# Altium PCB obc.PcbDoc
Units mm, origin at the board's own origin, x right, y up, seen from the top; angles counter-clockwise.
Board outline 60.02 x 35 mm, 4 copper layers (Top Layer, GND, VCC, Bottom Layer), stack 1.11 mm thick; 70 components, 62 nets, 293 pads, 180 vias.
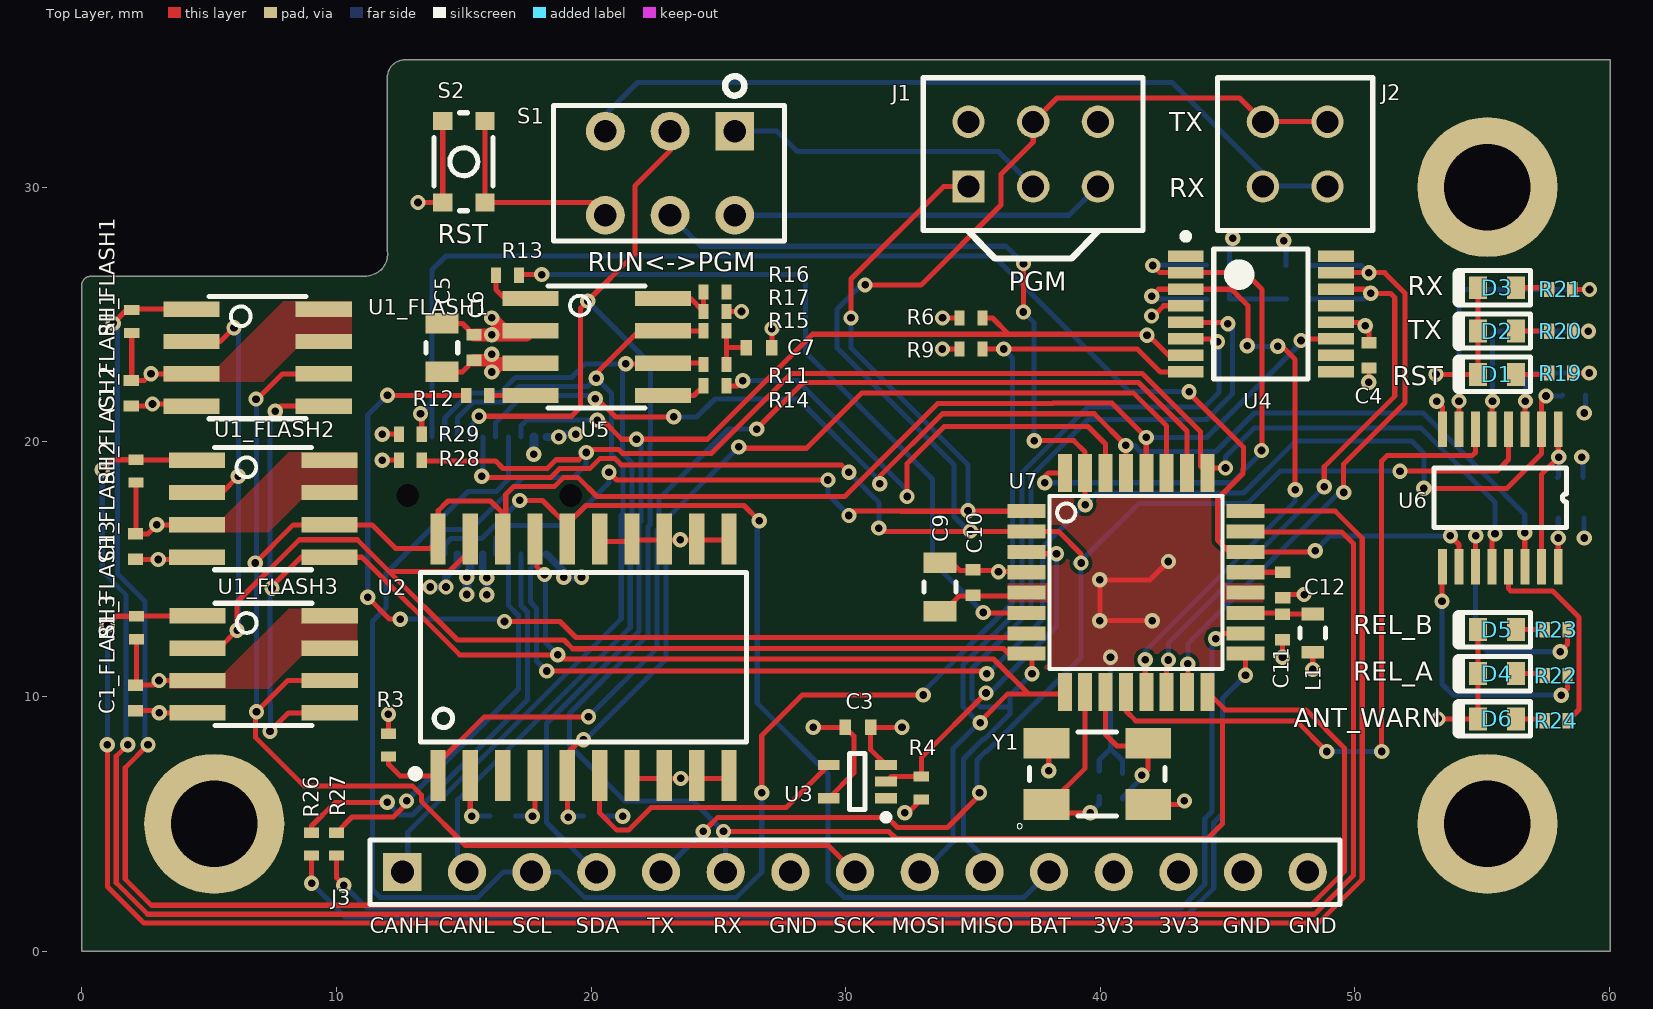
[diagram p0: Top Layer view]
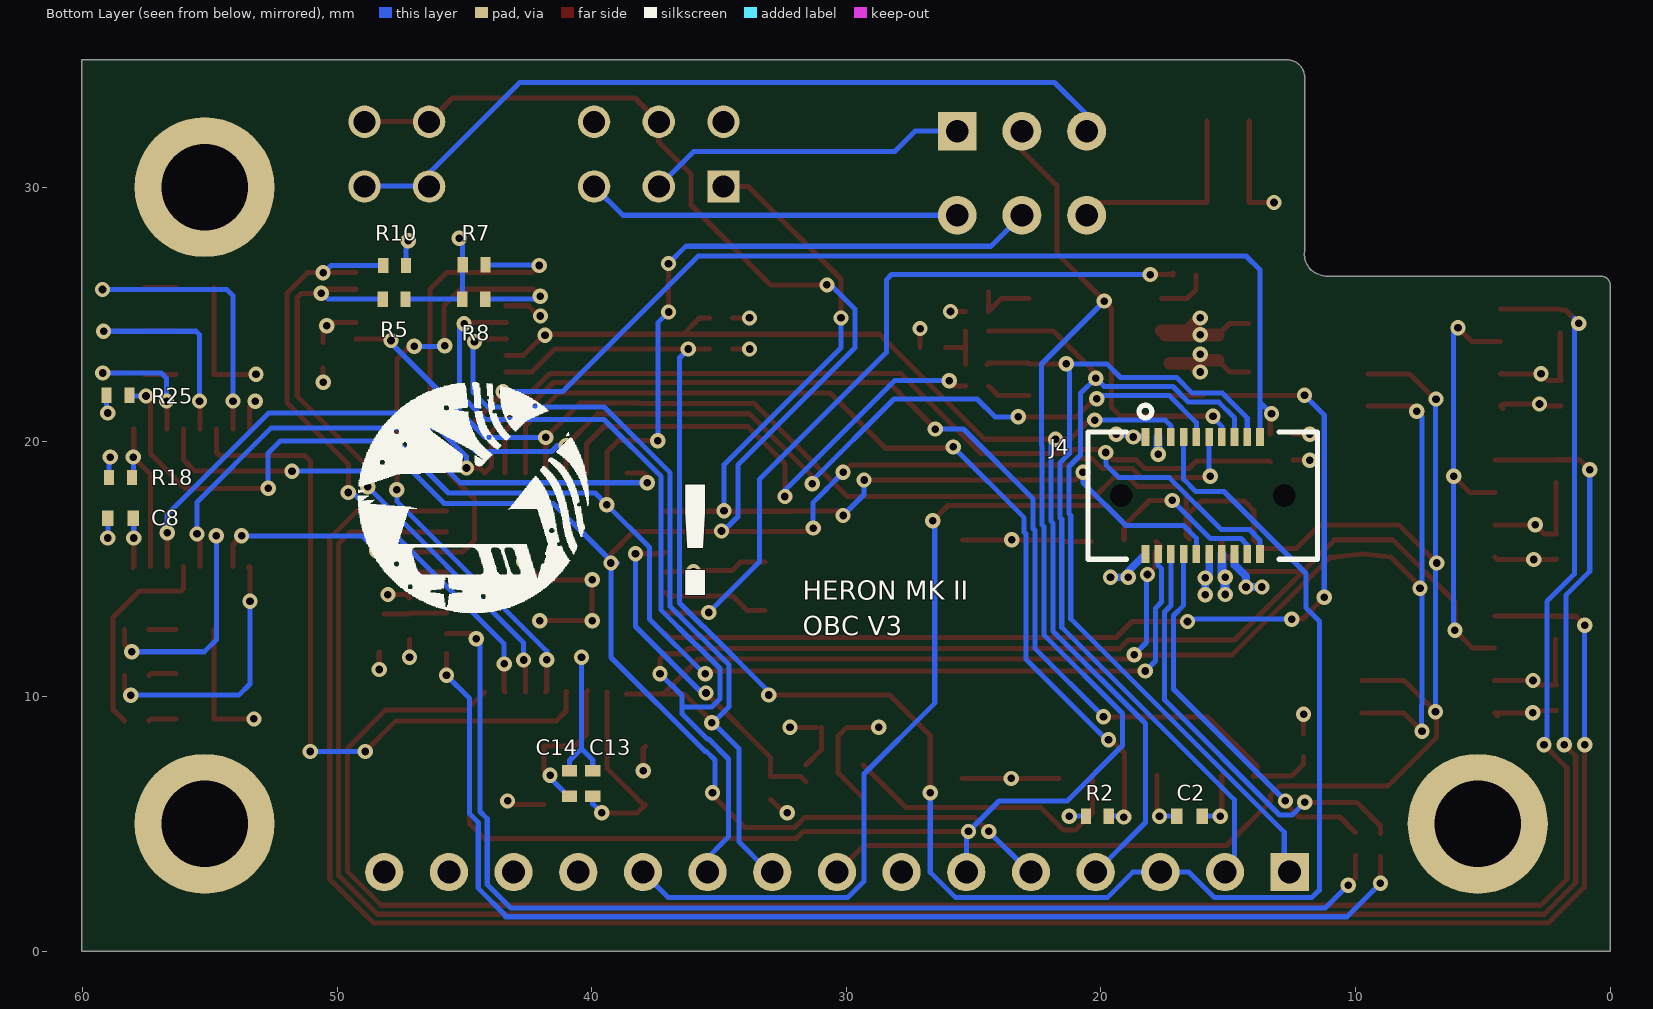
[diagram p1: Bottom Layer view, seen from below]
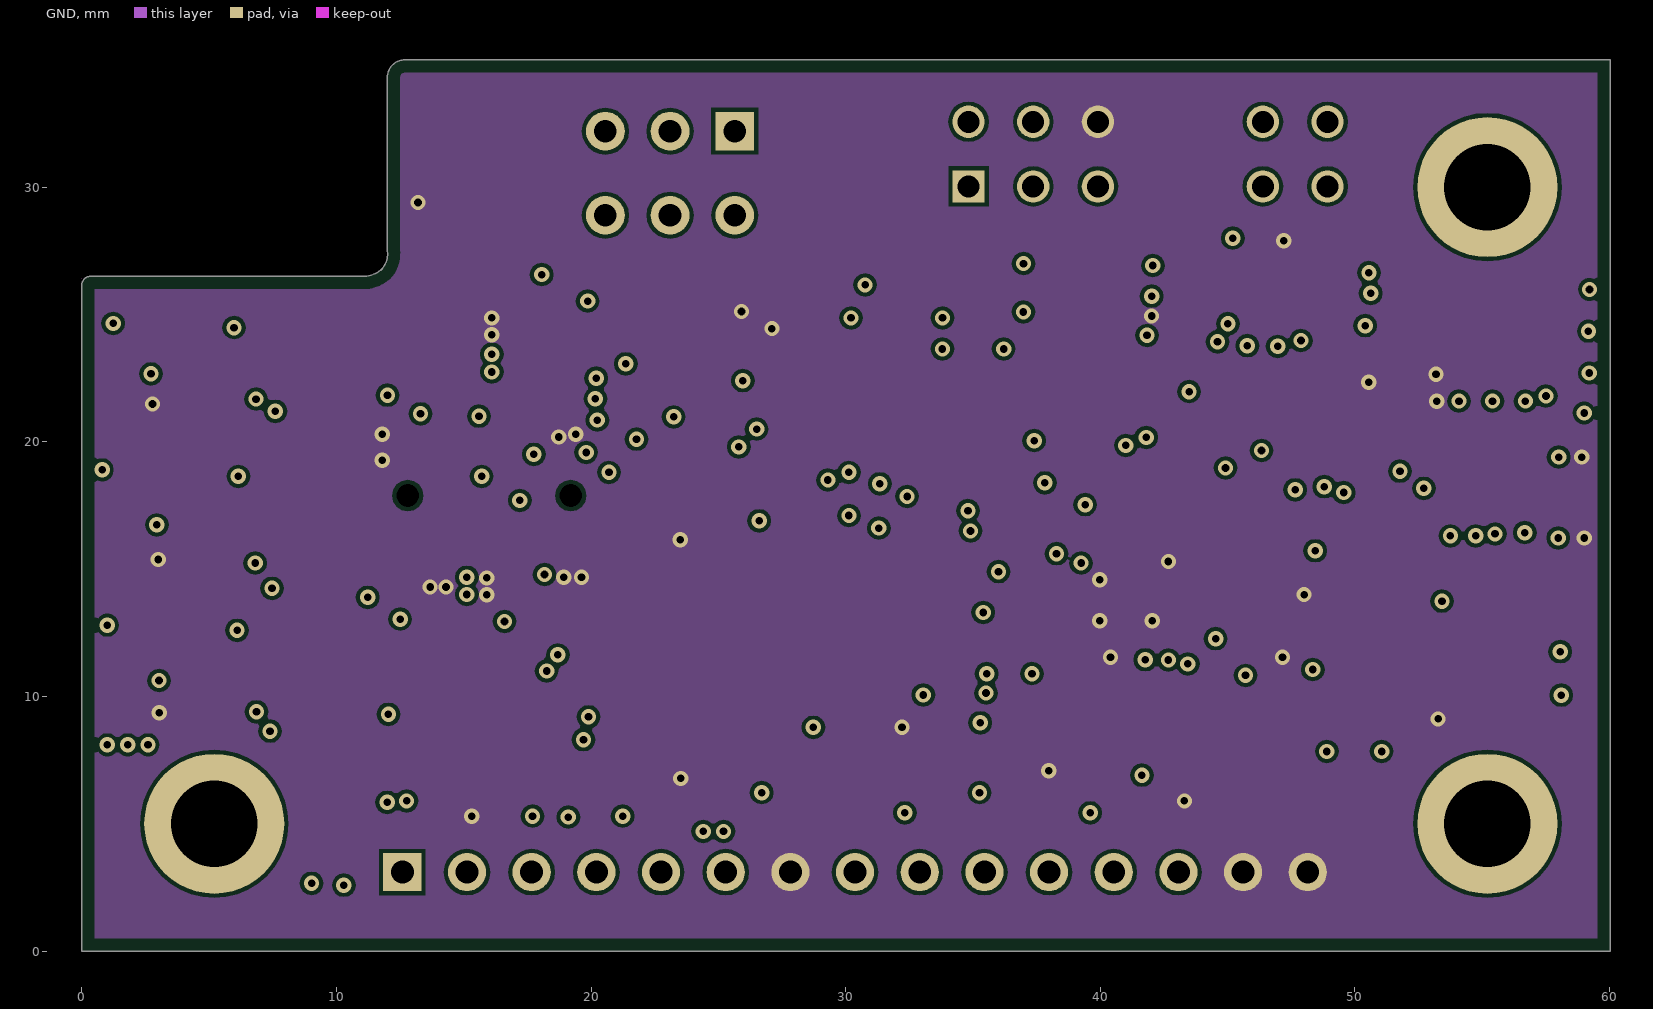
[diagram p2: GND]
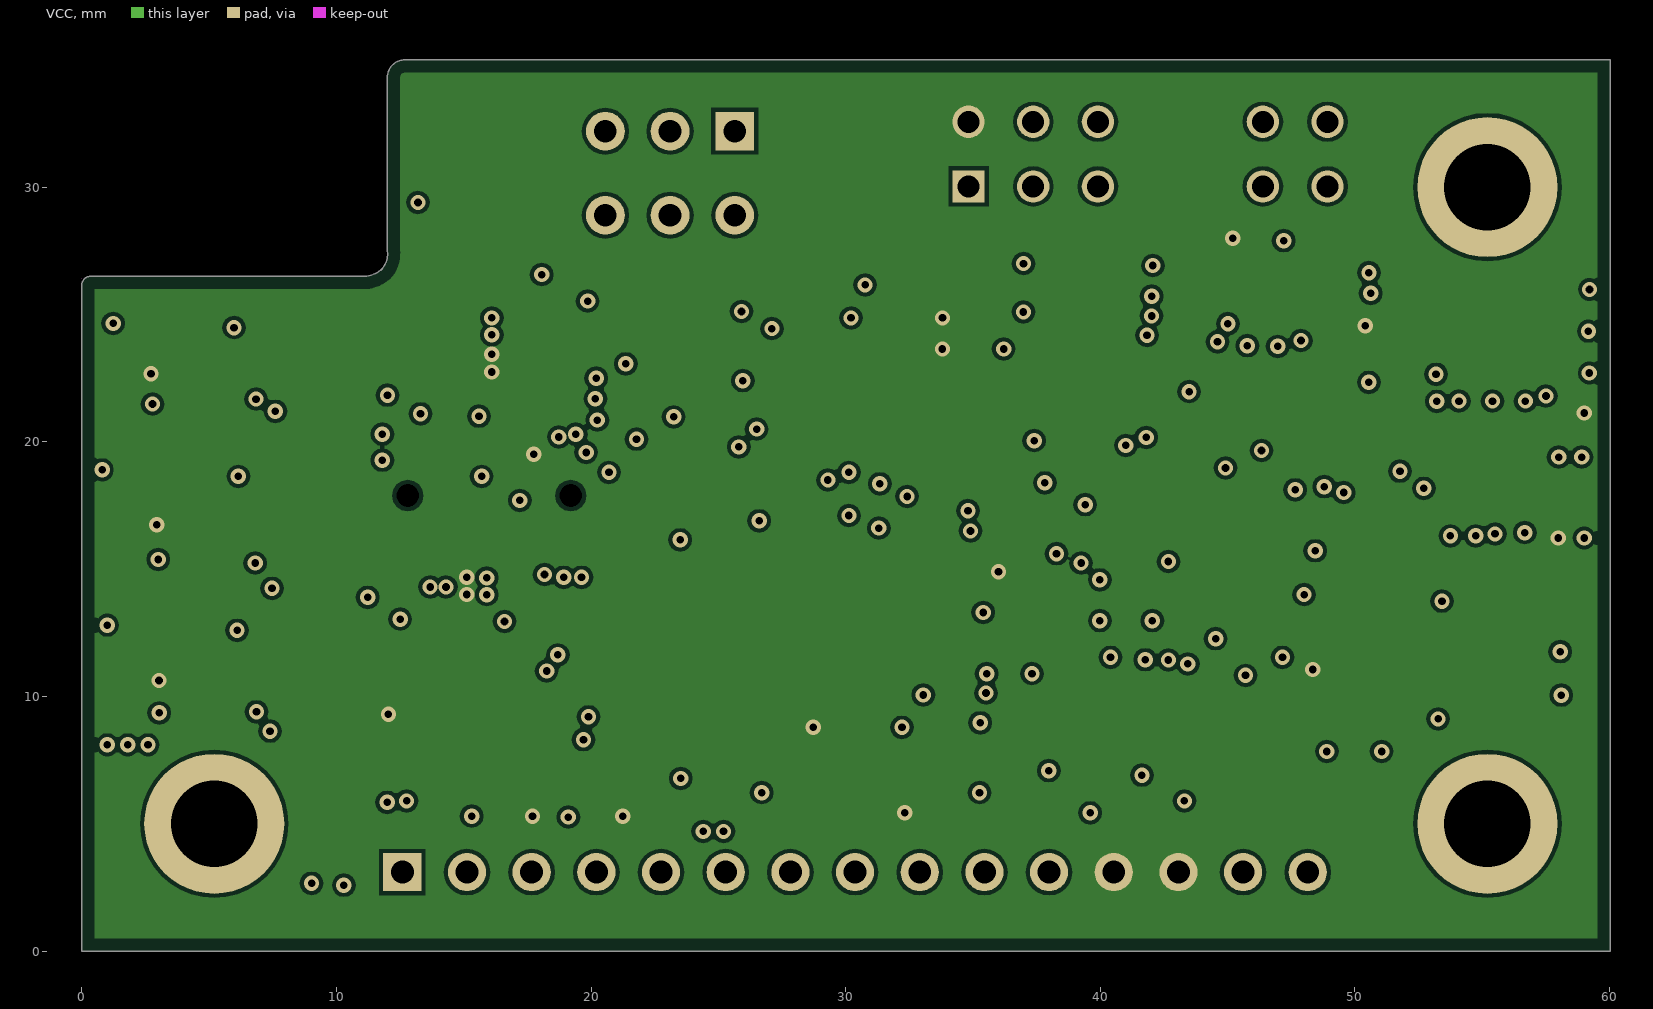
[diagram p3: VCC]
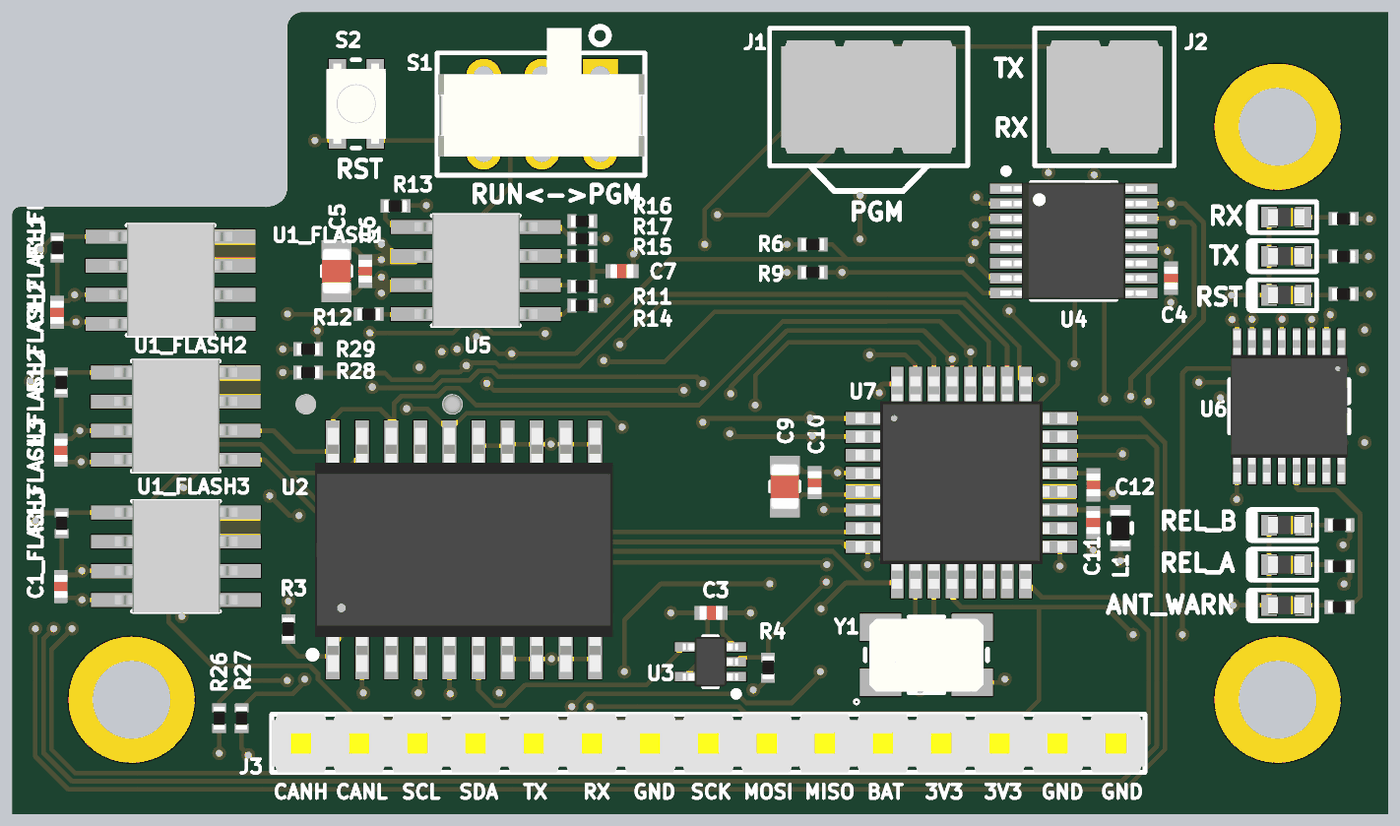
[diagram p4: 3D render of the assembled board from above, using the file's embedded part models]
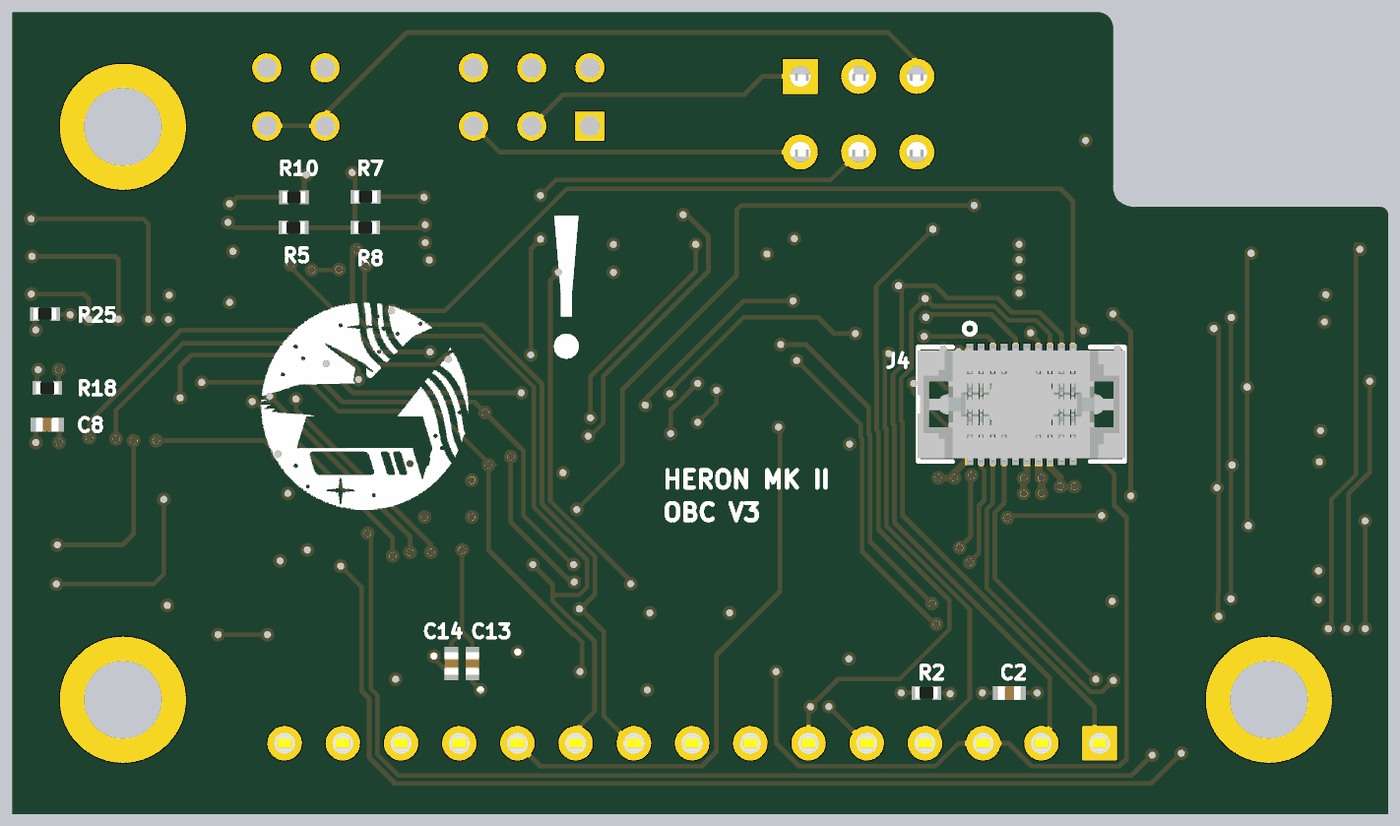
[diagram p5: 3D render of the assembled board from below, using the file's embedded part models]

## Layer stack, top to bottom
Top Solder: solder mask 0.0254, SM-001, Dk 4
Top Layer: signal copper 0.035
Dielectric 1: prepreg 0.1295, PP-017, Dk 4.3
GND: signal copper 0.035
Dielectric 3: core 0.7112, Core-039, Dk 4.8
VCC: signal copper 0.035
Dielectric 5: prepreg 0.1295, PP-017, Dk 4.3
Bottom Layer: signal copper 0.035
Bottom Solder: solder mask 0.0254, SM-001, Dk 4

## Board outline
0,26.159 cw(c0.341,26.159) 0.1,26.4 cw(c0.341,26.159) 0.341,26.5 11.017,26.5 ccw(c11.046,27.595) 11.8,26.8 ccw(c11.076,27.383) 12,27.483 12,34.317 cw(c12.683,34.317) 12.2,34.8 cw(c12.683,34.317) 12.683,35 12.9,35.001 60.02,35.001 60.02,0 0,0
cut-out: 0,26.4

## Design rules (kind name [scope] priority, off if disabled: settings)
AssemblyTestPointUsage [All] p1 off:
AssemblyTestpoint [All] p1 off: testpointundercomponent=TRUE minsize=1.016 maxsize=2.54 preferedsize=1.524 minholesize=0 maxholesize=1.016 preferedholesize=0.813 testpointgrid=0.025 usegrid=TRUE gridtolerance=0 allowsidetop=TRUE allowsidebottom=TRUE
BoardOutlineClearance [All] p1: gap=0.5 ignorepadtopadclearanceinfootprint=FALSE
Clearance Component_Clearance [IsComponent vs IsComponent] p1: gap=0.254 ignorepadtopadclearanceinfootprint=FALSE
Clearance [All] p2: gap=0.152 ignorepadtopadclearanceinfootprint=TRUE
FabricationTestPointUsage [All] p1 off: valid=0 allowmultiple=FALSE
FabricationTestpoint [All] p1 off: side=3 testpointundercomponent=FALSE minsize=1.016 maxsize=2.54 preferedsize=1.524 minholesize=0 maxholesize=1.016 preferedholesize=0.813 testpointgrid=0.025 allowsidetop=TRUE allowsidebottom=TRUE usegrid=TRUE gridtolerance=0
Height [All] p1: minheight=0 maxheight=15 prefheight=12.7
HoleSize [All] p1: absolutevalues=TRUE maxlimit=6.3 minlimit=0.3 maxpercent=80.000 minpercent=20.000
HoleToHoleClearance [All] p1: gap=0.2 allowstackedmicrovias=FALSE
MinimumAnnularRing [All] p1: minimumring=0.15
MinimumSolderMaskSliver [All] p1: minsoldermaskwidth=0.1
PlaneClearance [All] p1: clearance=0.381
PlaneConnect [All] p1: planeconnectstyle=Direct reliefexpansion=0.508 reliefentries=4 reliefconductorwidth=0.254 reliefairgap=0.254
PolygonConnect [All] p1: connectstyle=Direct reliefconductorwidth=0.254 reliefentries=4 polygonreliefangle="90 Angle" airgapwidth=0.254
RoomDefinition FLASH3 [InComponentClass('FLASH3')] p1: confinementstyle=ConfineIn formatcopy=TRUE lockcomponents=FALSE outline 1.026,8.439 1.026,14.052 2.734,14.052 2.734,14.016 11.153,14.016 11.153,8.505 2.734,8.505 2.734,8.439
RoomDefinition FLASH2 [InComponentClass('FLASH2')] p2: confinementstyle=ConfineIn formatcopy=TRUE lockcomponents=FALSE outline 1.046,17.359 1.046,19.867 3.104,19.867 3.104,20.129 11.139,20.129 11.139,14.618 3.104,14.618 3.104,14.634 1.176,14.634 1.176,17.359
RoomDefinition FLASH1 [InComponentClass('FLASH1')] p3: confinementstyle=ConfineIn formatcopy=TRUE lockcomponents=FALSE outline 0.855,20.404 0.855,23.412 0.856,23.412 0.856,26.088 2.564,26.088 2.564,26.061 10.917,26.061 10.917,20.549 2.563,20.549 2.563,20.404
RoutingVias [All] p1: holewidth=0.3 width=0.6 viastyle="Through Hole" minholewidth=0.2 minwidth=0.6 maxholewidth=6.3 maxwidth=10 useviatemplates=TRUE viatemplateguid#1={81D0F35E-75C7-4900-A8C3-2D3D2D15F2C4} viatemplatename#1=v60h30m0mx0(Tol8-8)
SilkToSilkClearance [All] p1: silktosilkclearance=0
SilkToSolderMaskClearance [IsPad] p1: minsilkscreentomaskgap=0.2 clearancetoexposedcopper=TRUE
SolderMaskExpansion [All] p1: expansion=0.051
UnConnectedPin [All] p1:
UnRoutedNet [All] p1: checkbadconnections=TRUE
Width [All] p1: maxlimit=25.4 minlimit=0.152 preferedwidth=0.2
17 further rules are at their usual default settings.

## Classes and differential pairs
component class U_obc_spi_to_i2c: C4 R5 R6 R7 R8 R9 R10 U4
channel class obc_flash: FLASH1 FLASH2 FLASH3
component class micro-circuit-: C8 C44 D1 D2 D3 D4 D5 D6 R18 R19 R20 R21 R22 R23 R24 U6 U17
component class ATMEGA64M1: C9 C10 C11 C12 C13 C14 C45 L1 L3 R25 U7 U18 Y1
net class MEM_CSn[1..3]: MEM_CSn1 MEM_CSn2 MEM_CSn3
component class U_obc_rtc: C2 C3 R2 R3 R4 U2 U3
component class U_can-SN65HVD233: C5 C6 C7 C36 C37 R11 R12 R13 R14 R15 R16 R17 R49 R50 U5 U14
component class U_micro-circuit-ATMEGA64M1: J1 J2 P3 S1 S2
component class obc_main: J3 J4 R26 R27 R28 R29
component class FLASH3: C1_FLASH3 R1_FLASH3 R33_FLASH3 U1_FLASH3
component class FLASH2: C1_FLASH2 R1_FLASH2 R33_FLASH2 U1_FLASH2
component class FLASH1: C1_FLASH1 R1_FLASH1 R33_FLASH1 U1_FLASH1

## Components (designator, comment, footprint, x,y, rotation, side; value= is the part's Value field where it differs from the comment)
C1_FLASH1 "0402" CAP0402R 1.94,21.908 r270 top value=0.1uF (schematic designator C1)
C1_FLASH2 "0402" CAP0402R 2.11,15.888 r270 top value=0.1uF (schematic designator C1)
C1_FLASH3 "0402" CAP0402R 2.11,9.943 r270 top value=0.1uF (schematic designator C1)
C2 "0402" CAP0402R 16.525,5.3 r0 bottom value=0.1uF
C3 "0402" CAP0402R 30.48,8.788 r180 top value=0.1uF
C4 "0402" CAP0402R 50.546,23.4 r90 top value=0.1uF
C5 "0805" CAP0805R 14.136,23.7 r270 top value=10uF
C6 "0402" CAP0402R 15.4,23.7 r270 top value=0.1uF
C7 "0402" CAP0402R 26.6,23.7 r180 top value=47pF
C8 "0402" CAP0402R 58.5,17 r180 bottom value=0.1uF
C9 "0805" CAP0805R 33.7,14.3 r90 top value=10uF
C10 "0402" CAP0402R 35,14.473 r90 top value=0.1uF
C11 "0402" CAP0402R 47.152,12.735 r90 top value=0.1uF
C12 "0402" CAP0402R 47.163,14.376 r90 top value=0.1uF
C13 "0402" CAP0402R 39.954,6.577 r270 bottom value=22pF
C14 "0402" CAP0402R 40.869,6.577 r270 bottom value=22pF
D1 "LED0603" LED0603 55.575,22.652 r180 top
D2 "LED0603" LED0603 55.575,24.353 r180 top
D3 "LED0603" LED0603 55.575,26.053 r180 top
D4 "LED0603" LED0603 55.575,10.897 r180 top
D5 "LED0603" LED0603 55.575,12.624 r180 top
D6 "LED0603" LED0603 55.575,9.119 r180 top
J1 "SLW-103-01-G-D" SLW-103-01-X-D 37.363,31.3 r180 top
J2 "SLW-102-01-G-D" SLW-102-01-X-D 47.65,31.3 r0 top
J3 "SLW-115-01-G-S" SAM1089-15-ND 12.585,3.1 r0 top
J4 "SLH-010-1.50-G-D-A" SLH-010-1.50-G-D-A 16,17.89 r0 bottom locked
L1 "0603" RES0603R 48.342,12.491 r90 top value=10uH
R1_FLASH1 "0402" RES0402R 1.96,24.727 r270 top value=10K (schematic designator R1)
R1_FLASH2 "0402" RES0402R 2.13,18.847 r270 top value=10K (schematic designator R1)
R1_FLASH3 "0402" RES0402R 2.148,12.7 r270 top value=10K (schematic designator R1)
R2 "0402" RES0402R 20.14,5.3 r0 bottom value=10K
R3 "0402" RES0402R 12.04,8.087 r90 top value=10K
R4 "0402" RES0402R 32.969,6.401 r270 top value=10K
R5 "0402" RES0402R 47.756,25.603 r180 bottom value=10K
R6 "0402" RES0402R 34.919,24.867 r180 top value=4.7K
R7 "0402" RES0402R 44.615,26.949 r0 bottom value=10K
R8 "0402" RES0402R 44.628,25.603 r0 bottom value=10K
R9 "0402" RES0402R 34.919,23.647 r180 top value=4.7K
R10 "0402" RES0402R 47.737,26.924 r0 bottom value=10K
R11 "0402" RES0402R 24.867,23.038 r180 top value=60.4
R12 "0402" RES0402R 15.55,21.819 r180 top value=100
R13 "0402" RES0402R 16.713,26.543 r0 top value=100
R14 "0402" RES0402R 24.867,22.2 r0 top value=100
R15 "0402" RES0402R 24.867,24.359 r180 top value=60.4
R16 "0402" RES0402R 24.867,25.883 r0 top value=0
R17 "0402" RES0402R 24.867,25.121 r180 top value=0
R18 "0402" RES0402R 58.5,18.6 r180 bottom value=10K
R19 "0402" RES0402R 58.082,22.703 r0 top value=330
R20 "0402" RES0402R 58.082,24.343 r0 top value=330
R21 "0402" RES0402R 58.082,25.984 r0 top value=330
R22 "0402" RES0402R 57.9,10.82 r0 top value=330
R23 "0402" RES0402R 57.9,12.624 r0 top value=330
R24 "0402" RES0402R 57.9,9.042 r0 top value=330
R25 "0402" RES0402R 58.6,21.832 r0 bottom value=30K
R26 "0402" RES0402R 9.022,4.2 r270 top value=100
R27 "0402" RES0402R 10,4.2 r270 top value=100
R28 "0402" RES0402R 12.9,19.279 r0 top value=10K
R29 "0402" RES0402R 12.9,20.3 r0 top value=10K
S1 "DPDT" "JS202011AQN - Slide Switch" 23.1,30.549 r270 top
S2 "SW-PB" "PTS830GM140 SMTR LFS - Pushbutton" 15,31 r270 top
U1_FLASH1 "SST26VF016B" SOIC127P500X600-8N 6.9,23.305 r270 top (schematic designator U1)
U1_FLASH2 "SST26VF016B" SOIC127P500X600-8N 7.121,17.374 r270 top (schematic designator U1)
U1_FLASH3 "SST26VF016B" SOIC127P500X600-8N 7.136,11.26 r270 top (schematic designator U1)
U2 "DS3234" SOIC127P1032X265-20 19.7,11.54 r90 top
U3 "SN74LVC1G07" SOT65P210X110-5N 30.455,6.655 r180 top
U4 "SC18IS600IPW/S8HP" TSOP65P640X110-16N 46.304,25.019 r0 top
U5 "SN65HVD233D" SOIC127P500X600-8N 20.218,23.724 r270 top
U6 "SN74HC365PW" SOP65P640X120-16N 57.982,20.5 r270 top
U7 "ATMEGA64M1" QFP80P900X900X120-32 41.402,14.478 r0 top
Y1 "8MHz Crystal" OSCSC500X320X110-4N 39.878,6.958 r90 top

## Footprints (in the part's own frame and the unit in brackets; to place one, negate y for a bottom-side part, rotate by r counter-clockwise, add the part's x,y. Pads: shape width x height; smd on the part's side, far side on the other; paste and mask are expansions set on the pad)
CAP0402R [mm] "Capacitor 0402 reflow soldering"
  rect 0.45x0.6 smd mask+0: 1(-0.5,0) 2(0.5,0)
  body extent -0.5,-0.3 0.5,0.3, height 0.2
CAP0805R [mm] "capacitor 0805 reflow soldering"
  rect 0.8x1.3 smd mask+0: 1(-0.95,0) 2(0.95,0)
  silkscreen extent -0.2,-0.63 0.2,0.63, body extent -1,-0.62 1,0.63, height 0.78
"JS202011AQN - Slide Switch" [mil]
  rect 60x60 hole 35: 1(-65,100)
  round 60 hole 35: 2(-65,0) 3(-65,-100) 4(65,100) 5(65,0) 6(65,-100)
  silkscreen extent -150,-180 105,177, body extent -148,-178 73,176, height 139
LED0603 [mm] "0603 LED footprint, thick line on the cathode"
  rect 0.7x0.9 smd: 1(-0.75,0) 2(0.75,0)
  silkscreen extent -1.32,-0.67 1.52,0.67, body extent -0.8,-0.4 0.8,0.4, height 0.71
OSCSC500X320X110-4N [mm] "ABM3B-8.000MHZ-10-D-1-G-T Abracon 8MHz crystal"
  rect 1.2x1.8 smd: 1(-1.2,2) 2(-1.2,-2) 3(1.2,-2) 4(1.2,2)
  silkscreen extent -2.15,-2.67 1.65,3.15, body extent -1.6,-2.5 1.58,2.5, height 1.1
"PTS830GM140 SMTR LFS - Pushbutton" [mm] "Low profile pushbutton"
  rect 0.7x0.75 smd: 1(-1.6,0.825) 1(1.6,0.825) 2(-1.6,-0.825) 2(1.6,-0.825)
  silkscreen extent -1.92,-1.17 1.92,1.15, body extent -1.75,-1.3 1.75,1.3, height 1.4
QFP80P900X900X120-32 [mm] "QFN + Pitch P + Body With X Body Length X Height - #Pins"
  rect 1.5x0.55 smd: 1(-4.3,2.8) 2(-4.3,2) 3(-4.3,1.2) 4(-4.3,0.4) 5(-4.3,-0.4) 6(-4.3,-1.2) 7(-4.3,-2) 8(-4.3,-2.8) 17(4.3,-2.8) 18(4.3,-2) 19(4.3,-1.2) 20(4.3,-0.4) 21(4.3,0.4) 22(4.3,1.2) 23(4.3,2) 24(4.3,2.8)
  rect 0.55x1.5 smd: 9(-2.8,-4.3) 10(-2,-4.3) 11(-1.2,-4.3) 12(-0.4,-4.3) 13(0.4,-4.3) 14(1.2,-4.3) 15(2,-4.3) 16(2.8,-4.3) 25(2.8,4.3) 26(2,4.3) 27(1.2,4.3) 28(0.4,4.3) 29(-0.4,4.3) 30(-1.2,4.3) 31(-2,4.3) 32(-2.8,4.3)
  silkscreen extent -3.4,-3.4 3.4,3.4, body extent -4.62,-4.62 4.63,4.63, height 1.2
RES0402R [mm] "resistor 0402 reflow soldering"
  rect 0.4x0.6 smd mask+0: 1(-0.45,0) 2(0.45,0)
  body extent -0.5,-0.25 0.5,0.25, height 0.3
RES0603R [mm] "resistor 0603 reflow soldering"
  rect 0.5x0.9 smd mask+0: 1(-0.75,0) 2(0.75,0)
  silkscreen extent -0.2,-0.5 0.2,0.5, body extent -0.8,-0.4 0.8,0.4, height 0.45
SAM1089-15-ND [mm] "15 Position Receptacle Connector 0.100\" (2.54mm) Through Hole Gold"
  rect 1.5x1.5 hole 0.9: 1(0,0)
  round 1.5 hole 0.9: 2(2.54,0) 3(5.08,0) 4(7.62,0) 5(10.16,0) 6(12.7,0) 7(15.24,0) 8(17.78,0) 9(20.32,0) 10(22.86,0) 11(25.4,0) 12(27.94,0) 13(30.48,0) 14(33.02,0) 15(35.56,0)
  silkscreen extent -1.27,-1.27 36.83,1.27, body extent -1.27,-1.27 36.83,1.27, height 4.57
SLH-010-1.50-G-D-A [mm]
  rect 0.3x0.7 smd: 1(2.25,-2.3) 2(2.25,2.3) 3(1.75,-2.3) 4(1.75,2.3) 5(1.25,-2.3) 6(1.25,2.3) 7(0.75,-2.3) 8(0.75,2.3) 9(0.25,-2.3) 10(0.25,2.3) 11(-0.25,-2.3) 12(-0.25,2.3) 13(-0.75,-2.3) 14(-0.75,2.3) 15(-1.25,-2.3) 16(-1.25,2.3) 17(-1.75,-2.3) 18(-1.75,2.3) 19(-2.25,-2.3) 20(-2.25,2.3)
  round 0 hole 0.9 unplated: ""(-3.2,0) ""(3.2,0)
  silkscreen extent -4.5,-3.55 4.5,2.5, body extent -4.53,-2.5 4.53,2.5, height 1.78
SLW-102-01-X-D [mil] "CONN RCPT 4POS 0.1 GOLD PCB"
  round 50 hole 34: 1(50,-50) 2(50,50) 3(-50,-50) 4(-50,50)
  silkscreen extent -120,-118 120,118, body extent -100,-97 100,98, height 180
SLW-103-01-X-D [mil] "CONN RCPT 6POS 0.1 GOLD PCB"
  rect 50x50 hole 34: 1(100,50)
  round 50 hole 34: 2(100,-50) 3(0,50) 4(0,-50) 5(-100,50) 6(-100,-50)
  silkscreen extent -170,-118 170,118, body extent -150,-97 150,98, height 180
SOIC127P500X600-8N [mm]
  rect 0.6x2.2 smd: 1(-1.905,-2.6) 2(-0.635,-2.6) 3(0.635,-2.6) 4(1.905,-2.6) 5(1.905,2.6) 6(0.635,2.6) 7(-0.635,2.6) 8(-1.905,2.6)
  silkscreen extent -2.4,-1.9 2.4,1.9, body extent -2.46,-2.67 2.44,2.69, height 2.03
SOIC127P1032X265-20 [mm] "SOIC127P + Nominal Lead Length X Height - Pin #"
  rect 2x0.6 smd: 1(-4.65,5.715) 2(-4.65,4.445) 3(-4.65,3.175) 4(-4.65,1.905) 5(-4.65,0.635) 6(-4.65,-0.635) 7(-4.65,-1.905) 8(-4.65,-3.175) 9(-4.65,-4.445) 10(-4.65,-5.715) 11(4.65,-5.715) 12(4.65,-4.445) 13(4.65,-3.175) 14(4.65,-1.905) 15(4.65,-0.635) 16(4.65,0.635) 17(4.65,1.905) 18(4.65,3.175) 19(4.65,4.445) 20(4.65,5.715)
  silkscreen extent -4.72,-6.4 3.32,6.75, body extent -5.32,-6.5 5.32,6.5, height 2.64
SOP65P640X120-16N [mm] "SOP + Pitch P + Lead Span Nominal X Height - #Pins"
  rect 1.4x0.35 smd: 1(0,0) 2(0,-0.65) 3(0,-1.3) 4(0,-1.95) 5(0,-2.6) 6(0,-3.25) 7(0,-3.9) 8(0,-4.55) 9(5.4,-4.55) 10(5.4,-3.9) 11(5.4,-3.25) 12(5.4,-2.6) 13(5.4,-1.95) 14(5.4,-1.3) 15(5.4,-0.65) 16(5.4,0)
  silkscreen extent 1.53,-4.88 3.87,0.33, body extent -0.61,-4.84 5.99,0.27, height 1.2
SOT65P210X110-5N [mm] "SOT23, 5-Leads, Body 2.00x2.10mm, Pitch 0.65mm, IPC Medium Density"
  rect 0.85x0.4 smd: 1(-1.125,0.65) 2(-1.125,0) 3(-1.125,-0.65) 4(1.125,-0.65) 5(1.125,0.65)
  silkscreen extent -1.25,-1.1 0.3,1.52, body extent -1.2,-1.07 1.2,1.07, height 1.1
TSOP65P640X110-16N [mm] "TSOP, 16-Leads, Body 5.00x4.40mm, Pitch 0.65mm, IPC Medium Density"